# KiCad board Panel_R0.5.1_300x300_2layer_step1.kicad_pcb
title: microRusEfi; date: 2020-05-01; rev: R0.5.1
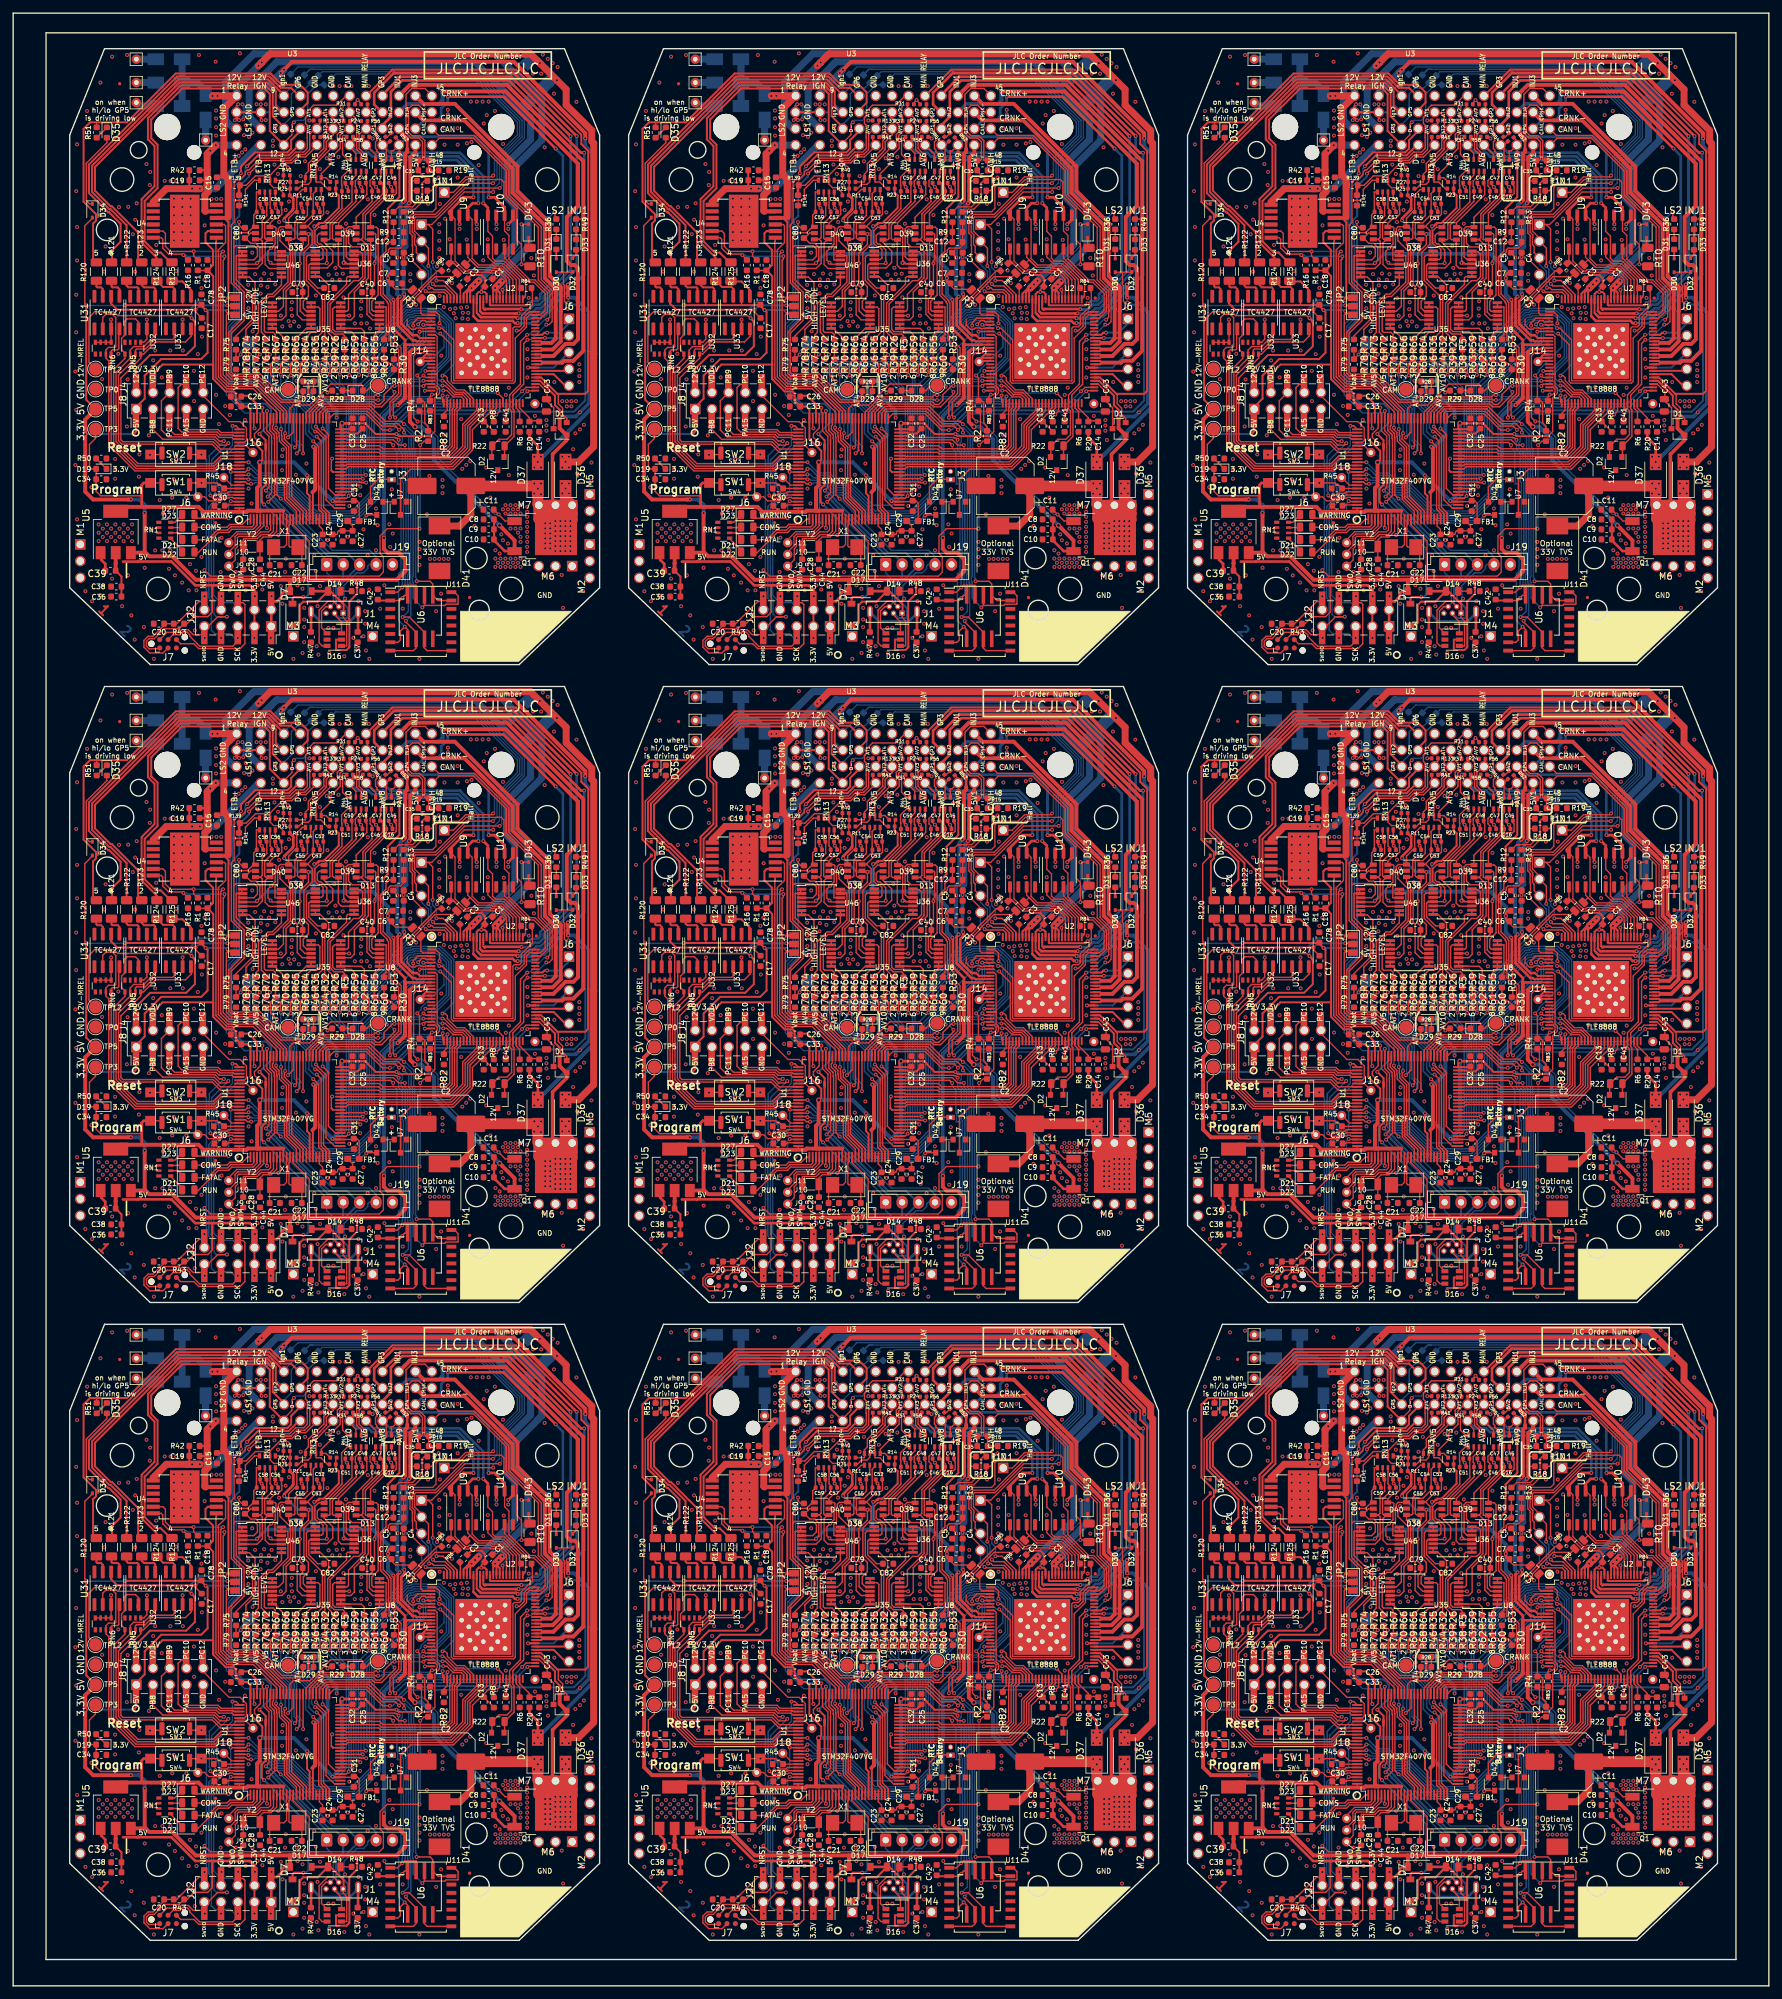
[diagram p0: board, top side]
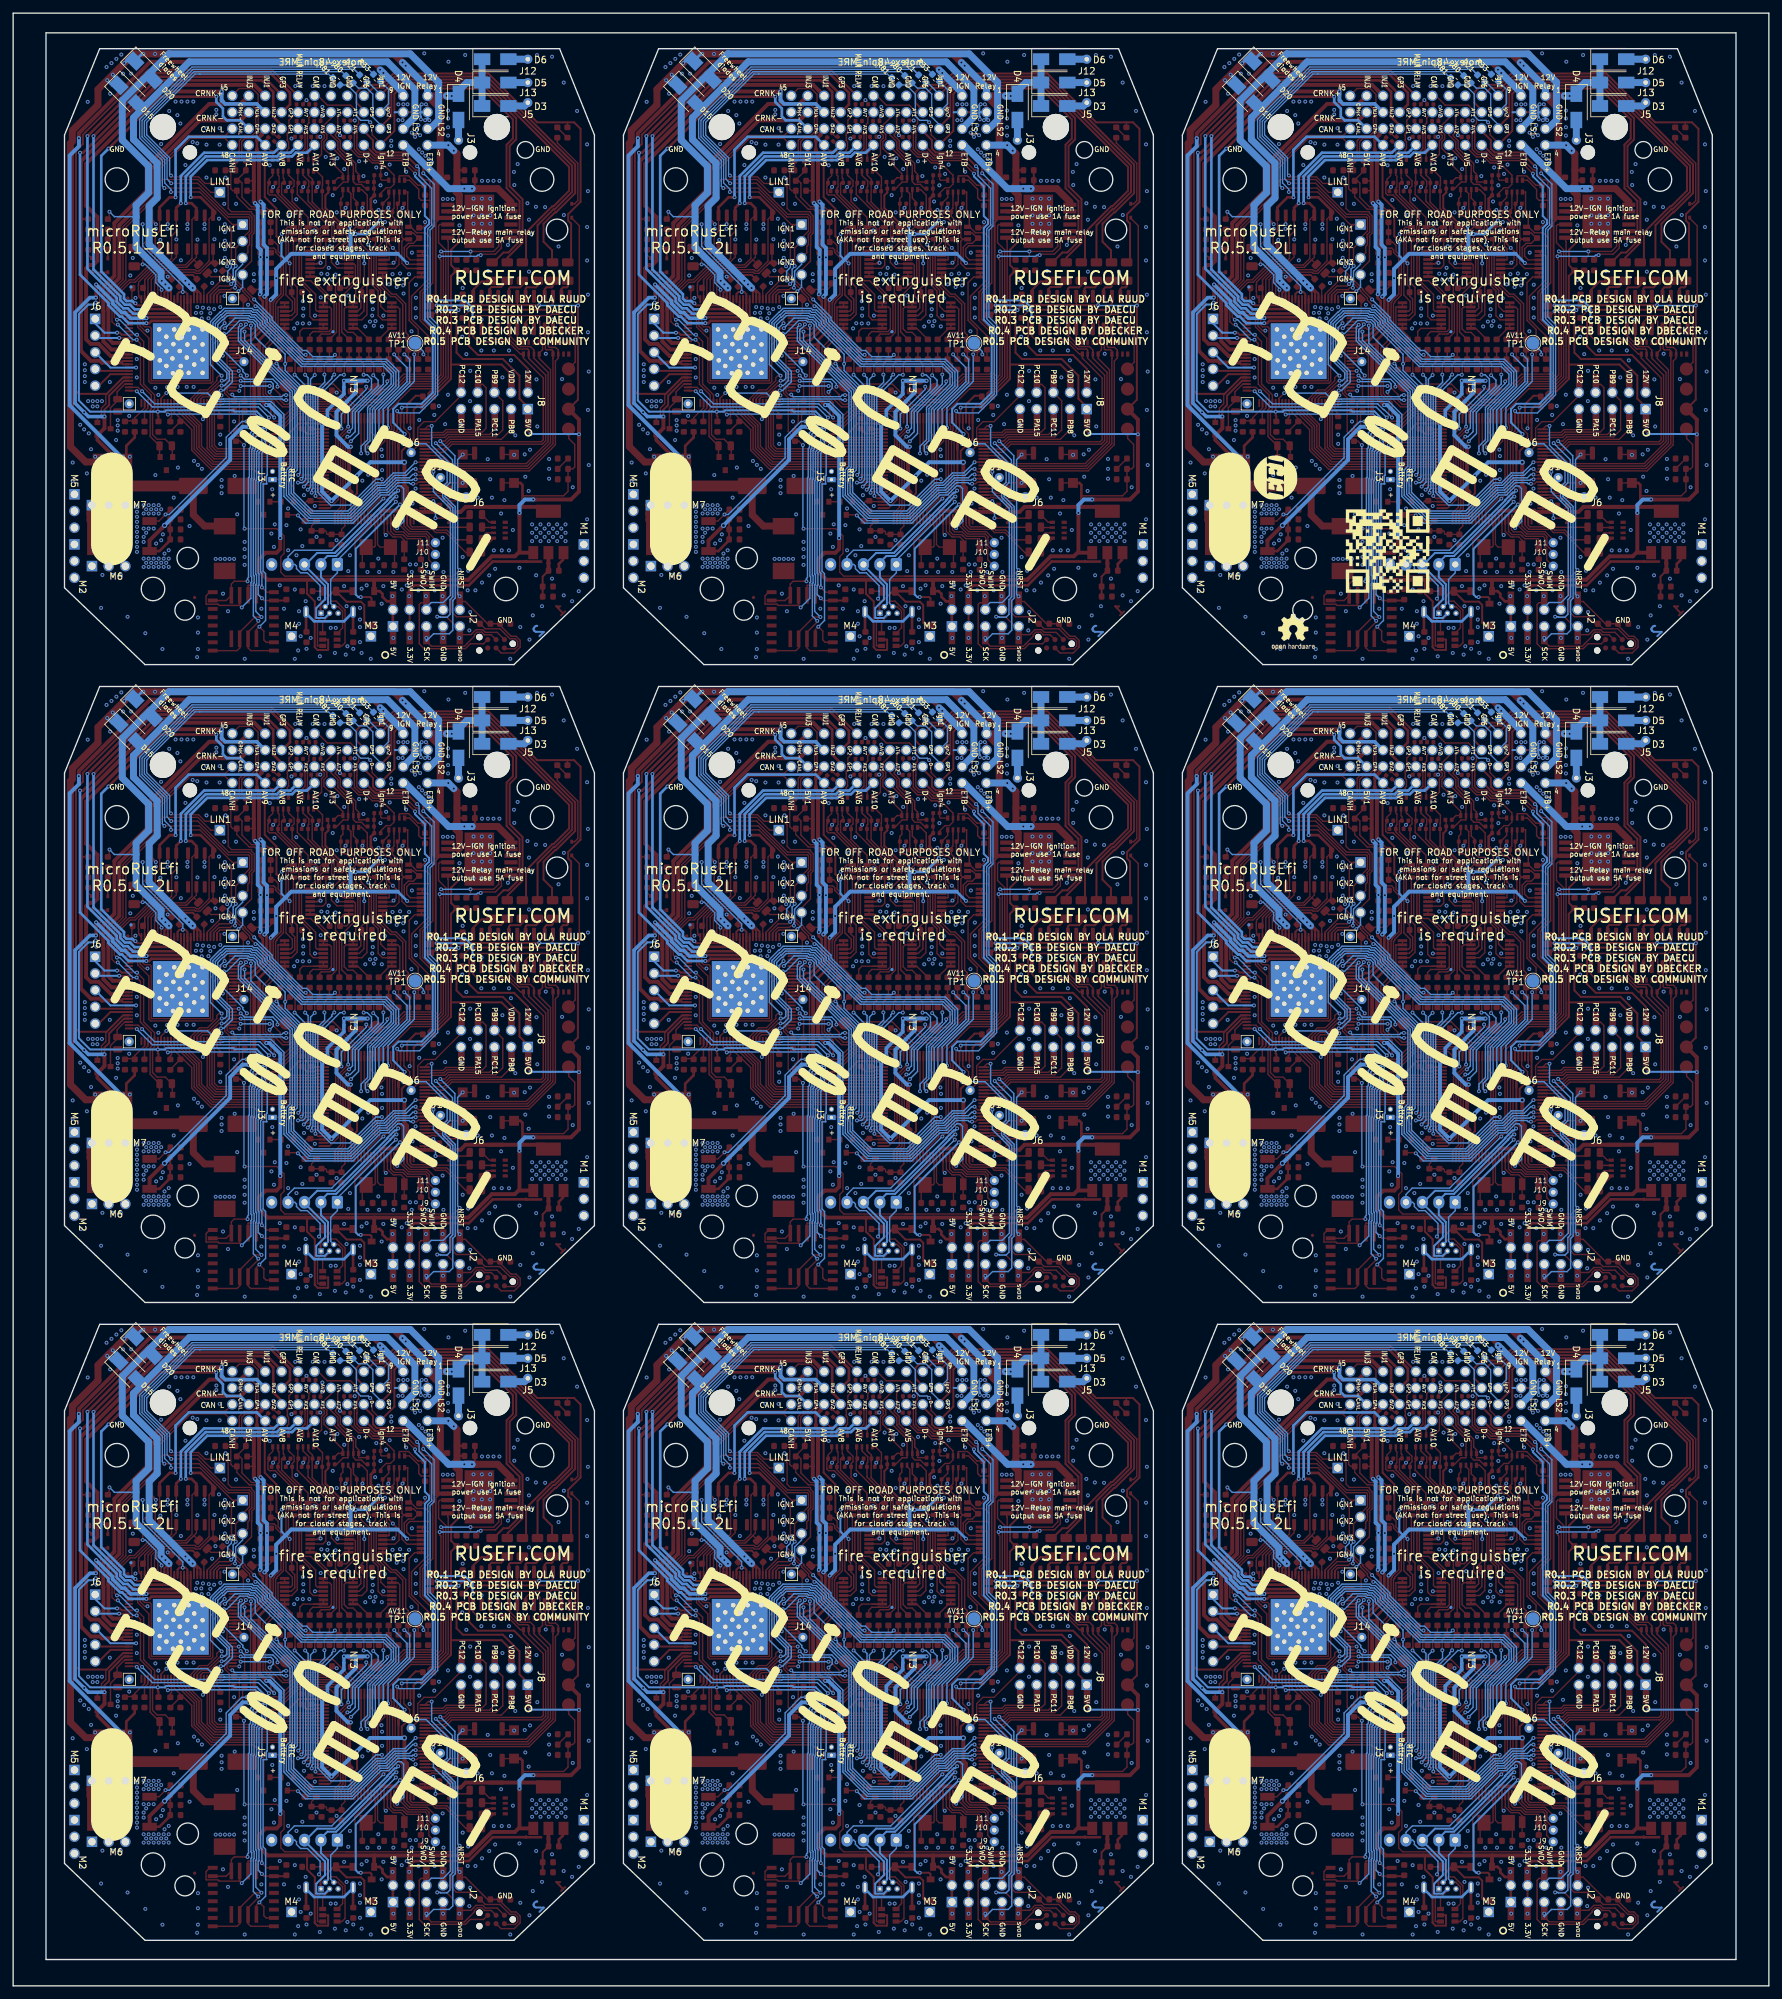
[diagram p1: board, bottom side, seen from below]

Outline 267 x 300 mm; copper layers: Top, Bottom. Coordinates in mm from the lower left corner of the outline.
Outline path: circle c14.29,267.04 r1.64 ; circle c14.29,170.04 r1.64 ; circle c14.29,73.04 r1.64 ; circle c16.56,274.7 r1.79 ; circle c16.56,177.7 r1.79 ; circle c16.56,80.7 r1.79 ; circle c19.09,279.2 r1.27 ; circle c19.09,182.2 r1.27 ; circle c19.09,85.2 r1.27 ; circle c22.06,212.43 r1.79 ; circle c22.06,115.43 r1.79 ; circle c22.06,18.43 r1.79 ; circle c70.45,217.13 r1.64 ; circle c70.45,120.13 r1.64 ; circle c70.45,23.13 r1.64 ; circle c70.88,209.2 r1.52 ; circle c70.88,112.2 r1.52 ; circle c70.88,15.2 r1.52 ; circle c75.73,212.43 r1.79 ; circle c75.73,115.43 r1.79 ; circle c75.73,18.43 r1.79 ; circle c81.23,274.7 r1.79 ; circle c81.23,177.7 r1.79 ; circle c81.23,80.7 r1.79 ; circle c99.29,267.04 r1.64 ; circle c99.29,170.04 r1.64 ; circle c99.29,73.04 r1.64 ; circle c101.56,274.7 r1.79 ; circle c101.56,177.7 r1.79 ; circle c101.56,80.7 r1.79 ; circle c104.09,279.2 r1.27 ; circle c104.09,182.2 r1.27 ; circle c104.09,85.2 r1.27 ; circle c107.06,212.43 r1.79 ; circle c107.06,115.43 r1.79 ; circle c107.06,18.43 r1.79 ; circle c155.45,217.13 r1.64 ; circle c155.45,120.13 r1.64 ; circle c155.45,23.13 r1.64 ; circle c155.88,209.2 r1.52 ; circle c155.88,112.2 r1.52 ; circle c155.88,15.2 r1.52 ; circle c160.73,212.43 r1.79 ; circle c160.73,115.43 r1.79 ; circle c160.73,18.43 r1.79 ; circle c166.23,274.7 r1.79 ; circle c166.23,177.7 r1.79 ; circle c166.23,80.7 r1.79 ; circle c184.29,267.04 r1.64 ; circle c184.29,170.04 r1.64 ; circle c184.29,73.04 r1.64 ; circle c186.56,274.7 r1.79 ; circle c186.56,177.7 r1.79 ; circle c186.56,80.7 r1.79 ; circle c189.09,279.2 r1.27 ; circle c189.09,182.2 r1.27 ; circle c189.09,85.2 r1.27 ; circle c192.06,212.43 r1.79 ; circle c192.06,115.43 r1.79 ; circle c192.06,18.43 r1.79 ; circle c240.45,217.13 r1.64 ; circle c240.45,120.13 r1.64 ; circle c240.45,23.13 r1.64 ; circle c240.88,209.2 r1.52 ; circle c240.88,112.2 r1.52 ; circle c240.88,15.2 r1.52 ; circle c245.73,212.43 r1.79 ; circle c245.73,115.43 r1.79 ; circle c245.73,18.43 r1.79 ; circle c251.23,274.7 r1.79 ; circle c251.23,177.7 r1.79 ; circle c251.23,80.7 r1.79 ; 0,300 0,0 267,0 267,300 0,300 ; 5,297 262,297 262,4 5,4 5,297 ; 8.6,281.46 8.6,212.62 20.84,200.93 76.95,200.93 89.19,212.62 89.19,281.46 83.84,294.6 13.9,294.6 8.6,281.46 ; 8.6,184.46 8.6,115.62 20.84,103.93 76.95,103.93 89.19,115.62 89.19,184.46 83.84,197.6 13.9,197.6 8.6,184.46 ; 8.6,87.46 8.6,18.62 20.84,6.93 76.95,6.93 89.19,18.62 89.19,87.46 83.84,100.6 13.9,100.6 8.6,87.46 ; 93.6,281.46 93.6,212.62 105.84,200.93 161.95,200.93 174.19,212.62 174.19,281.46 168.84,294.6 98.9,294.6 93.6,281.46 ; 93.6,184.46 93.6,115.62 105.84,103.93 161.95,103.93 174.19,115.62 174.19,184.46 168.84,197.6 98.9,197.6 93.6,184.46 ; 93.6,87.46 93.6,18.62 105.84,6.93 161.95,6.93 174.19,18.62 174.19,87.46 168.84,100.6 98.9,100.6 93.6,87.46 ; 178.6,281.46 178.6,212.62 190.84,200.93 246.95,200.93 259.19,212.62 259.19,281.46 253.84,294.6 183.9,294.6 178.6,281.46 ; 178.6,184.46 178.6,115.62 190.84,103.93 246.95,103.93 259.19,115.62 259.19,184.46 253.84,197.6 183.9,197.6 178.6,184.46 ; 178.6,87.46 178.6,18.62 190.84,6.93 246.95,6.93 259.19,18.62 259.19,87.46 253.84,100.6 183.9,100.6 178.6,87.46

## Placement (name value [footprint] x y rotation side)
C1  100nF  [C_0603_1608Metric]  72.3 259 45 top
C1#2  100nF  [C_0603_1608Metric]  157.3 259 45 top
C1#3  100nF  [C_0603_1608Metric]  242.3 259 45 top
C1#4  100nF  [C_0603_1608Metric]  157.3 162 45 top
C1#5  100nF  [C_0603_1608Metric]  242.3 162 45 top
C1#6  100nF  [C_0603_1608Metric]  72.3 162 45 top
C1#7  100nF  [C_0603_1608Metric]  242.3 65 45 top
C1#8  100nF  [C_0603_1608Metric]  157.3 65 45 top
C1#9  100nF  [C_0603_1608Metric]  72.3 65 45 top
C2  100UF 50V  [CP_Elec_8x10.5]  65.9 228.1 180 top
C2#2  100UF 50V  [CP_Elec_8x10.5]  150.9 228.1 180 top
C2#3  100UF 50V  [CP_Elec_8x10.5]  235.9 228.1 180 top
C2#4  100UF 50V  [CP_Elec_8x10.5]  150.9 131.1 180 top
C2#5  100UF 50V  [CP_Elec_8x10.5]  235.9 131.1 180 top
C2#6  100UF 50V  [CP_Elec_8x10.5]  65.9 131.1 180 top
C2#7  100UF 50V  [CP_Elec_8x10.5]  235.9 34.1 180 top
C2#8  100UF 50V  [CP_Elec_8x10.5]  150.9 34.1 180 top
C2#9  100UF 50V  [CP_Elec_8x10.5]  65.9 34.1 180 top
C3  4.7nF  [C_0603_1608Metric]  153.5 259 225 top
C3#2  4.7nF  [C_0603_1608Metric]  238.5 259 225 top
C3#3  4.7nF  [C_0603_1608Metric]  153.5 162 225 top
C3#4  4.7nF  [C_0603_1608Metric]  238.5 162 225 top
C3#5  4.7nF  [C_0603_1608Metric]  68.5 162 225 top
C3#6  4.7nF  [C_0603_1608Metric]  238.5 65 225 top
C3#7  4.7nF  [C_0603_1608Metric]  153.5 65 225 top
C3#8  4.7nF  [C_0603_1608Metric]  68.5 65 225 top
C3#9  4.7nF  [C_0603_1608Metric]  68.5 259 225 top
C4  470nF  [C_0603_1608Metric]  59.4 262.79 270 top
C4#2  470nF  [C_0603_1608Metric]  144.4 262.79 270 top
C4#3  470nF  [C_0603_1608Metric]  229.4 262.79 270 top
C4#4  470nF  [C_0603_1608Metric]  144.4 165.79 270 top
C4#5  470nF  [C_0603_1608Metric]  229.4 165.79 270 top
C4#6  470nF  [C_0603_1608Metric]  59.4 165.79 270 top
C4#7  470nF  [C_0603_1608Metric]  229.4 68.79 270 top
C4#8  470nF  [C_0603_1608Metric]  144.4 68.79 270 top
C4#9  470nF  [C_0603_1608Metric]  59.4 68.79 270 top
C5  470nF  [C_0603_1608Metric]  57.8 262.79 270 top
C5#2  470nF  [C_0603_1608Metric]  142.8 262.79 270 top
C5#3  470nF  [C_0603_1608Metric]  227.8 262.79 270 top
C5#4  470nF  [C_0603_1608Metric]  142.8 165.79 270 top
C5#5  470nF  [C_0603_1608Metric]  227.8 165.79 270 top
C5#6  470nF  [C_0603_1608Metric]  57.8 165.79 270 top
C5#7  470nF  [C_0603_1608Metric]  227.8 68.79 270 top
C5#8  470nF  [C_0603_1608Metric]  142.8 68.79 270 top
C5#9  470nF  [C_0603_1608Metric]  57.8 68.79 270 top
C6  100nF  [C_0603_1608Metric]  58.36 258.9 0 top
C6#2  100nF  [C_0603_1608Metric]  143.36 258.9 0 top
C6#3  100nF  [C_0603_1608Metric]  228.36 258.9 0 top
C6#4  100nF  [C_0603_1608Metric]  143.36 161.9 0 top
C6#5  100nF  [C_0603_1608Metric]  228.36 161.9 0 top
C6#6  100nF  [C_0603_1608Metric]  58.36 161.9 0 top
C6#7  100nF  [C_0603_1608Metric]  228.36 64.9 0 top
C6#8  100nF  [C_0603_1608Metric]  58.36 64.9 0 top
C6#9  100nF  [C_0603_1608Metric]  143.36 64.9 0 top
C7  10uF  [C_0603_1608Metric]  58.51 260.5 0 top
C7#2  10uF  [C_0603_1608Metric]  143.51 260.5 0 top
C7#3  10uF  [C_0603_1608Metric]  228.51 260.5 0 top
C7#4  10uF  [C_0603_1608Metric]  143.51 163.5 0 top
C7#5  10uF  [C_0603_1608Metric]  228.51 163.5 0 top
C7#6  10uF  [C_0603_1608Metric]  58.51 163.5 0 top
C7#7  10uF  [C_0603_1608Metric]  228.51 66.5 0 top
C7#8  10uF  [C_0603_1608Metric]  143.51 66.5 0 top
C7#9  10uF  [C_0603_1608Metric]  58.51 66.5 0 top
C8  10uF  [C_0603_1608Metric]  72.33 223.02 180 top
C8#2  10uF  [C_0603_1608Metric]  157.33 223.02 180 top
C8#3  10uF  [C_0603_1608Metric]  242.33 223.02 180 top
C8#4  10uF  [C_0603_1608Metric]  157.33 126.02 180 top
C8#5  10uF  [C_0603_1608Metric]  242.33 126.02 180 top
C8#6  10uF  [C_0603_1608Metric]  72.33 126.02 180 top
C8#7  10uF  [C_0603_1608Metric]  242.33 29.02 180 top
C8#8  10uF  [C_0603_1608Metric]  157.33 29.02 180 top
C8#9  10uF  [C_0603_1608Metric]  72.33 29.02 180 top
C9  10uF  [C_0603_1608Metric]  72.33 221.49 180 top
C9#2  10uF  [C_0603_1608Metric]  157.33 221.49 180 top
C9#3  10uF  [C_0603_1608Metric]  242.33 221.49 180 top
C9#4  10uF  [C_0603_1608Metric]  157.33 124.49 180 top
C9#5  10uF  [C_0603_1608Metric]  242.33 124.49 180 top
C9#6  10uF  [C_0603_1608Metric]  72.33 124.49 180 top
C9#7  10uF  [C_0603_1608Metric]  242.33 27.49 180 top
C9#8  10uF  [C_0603_1608Metric]  157.33 27.49 180 top
C9#9  10uF  [C_0603_1608Metric]  72.33 27.49 180 top
C10  100nF  [C_0603_1608Metric]  72.33 219.97 180 top
C10#2  100nF  [C_0603_1608Metric]  157.33 219.97 180 top
C10#3  100nF  [C_0603_1608Metric]  242.33 219.97 180 top
C10#4  100nF  [C_0603_1608Metric]  157.33 122.97 180 top
C10#5  100nF  [C_0603_1608Metric]  242.33 122.97 180 top
C10#6  100nF  [C_0603_1608Metric]  72.33 122.97 180 top
C10#7  100nF  [C_0603_1608Metric]  242.33 25.97 180 top
C10#8  100nF  [C_0603_1608Metric]  157.33 25.97 180 top
C10#9  100nF  [C_0603_1608Metric]  72.33 25.97 180 top
C11  4.7nF  [C_0603_1608Metric]  72.3 224.5 180 top
C11#2  4.7nF  [C_0603_1608Metric]  157.3 224.5 180 top
C11#3  4.7nF  [C_0603_1608Metric]  242.3 224.5 180 top
C11#4  4.7nF  [C_0603_1608Metric]  157.3 127.5 180 top
C11#5  4.7nF  [C_0603_1608Metric]  242.3 127.5 180 top
C11#6  4.7nF  [C_0603_1608Metric]  72.3 127.5 180 top
C11#7  4.7nF  [C_0603_1608Metric]  242.3 30.5 180 top
C11#8  4.7nF  [C_0603_1608Metric]  157.3 30.5 180 top
C11#9  4.7nF  [C_0603_1608Metric]  72.3 30.5 180 top
C12  1nF  [C_0603_1608Metric]  58.61 265.2 0 top
C12#2  1nF  [C_0603_1608Metric]  143.61 265.2 0 top
C12#3  1nF  [C_0603_1608Metric]  228.61 265.2 0 top
C12#4  1nF  [C_0603_1608Metric]  143.61 168.2 0 top
C12#5  1nF  [C_0603_1608Metric]  228.61 168.2 0 top
C12#6  1nF  [C_0603_1608Metric]  58.61 168.2 0 top
C12#7  1nF  [C_0603_1608Metric]  228.61 71.2 0 top
C12#8  1nF  [C_0603_1608Metric]  58.61 71.2 0 top
C12#9  1nF  [C_0603_1608Metric]  143.61 71.2 0 top
C13  100nF  [C_0603_1608Metric]  71.57 237.12 270 top
C13#2  100nF  [C_0603_1608Metric]  156.57 237.12 270 top
C13#3  100nF  [C_0603_1608Metric]  241.57 237.12 270 top
C13#4  100nF  [C_0603_1608Metric]  156.57 140.12 270 top
C13#5  100nF  [C_0603_1608Metric]  241.57 140.12 270 top
C13#6  100nF  [C_0603_1608Metric]  71.57 140.12 270 top
C13#7  100nF  [C_0603_1608Metric]  241.57 43.12 270 top
C13#8  100nF  [C_0603_1608Metric]  156.57 43.12 270 top
C13#9  100nF  [C_0603_1608Metric]  71.57 43.12 270 top
C14  100nF  [C_0603_1608Metric]  80 237.12 270 top
C14#2  100nF  [C_0603_1608Metric]  165 237.12 270 top
C14#3  100nF  [C_0603_1608Metric]  250 237.12 270 top
C14#4  100nF  [C_0603_1608Metric]  165 140.12 270 top
C14#5  100nF  [C_0603_1608Metric]  250 140.12 270 top
C14#6  100nF  [C_0603_1608Metric]  80 140.12 270 top
C14#7  100nF  [C_0603_1608Metric]  250 43.12 270 top
C14#8  100nF  [C_0603_1608Metric]  165 43.12 270 top
C14#9  100nF  [C_0603_1608Metric]  80 43.12 270 top
C15  100nF  [C_0603_1608Metric]  31 274.25 270 top
C15#2  100nF  [C_0603_1608Metric]  116 274.25 270 top
C15#3  100nF  [C_0603_1608Metric]  201 274.25 270 top
C15#4  100nF  [C_0603_1608Metric]  116 177.25 270 top
C15#5  100nF  [C_0603_1608Metric]  201 177.25 270 top
C15#6  100nF  [C_0603_1608Metric]  31 177.25 270 top
C15#7  100nF  [C_0603_1608Metric]  201 80.25 270 top
C15#8  100nF  [C_0603_1608Metric]  116 80.25 270 top
C15#9  100nF  [C_0603_1608Metric]  31 80.25 270 top
C16  100nF  [C_0402_1005Metric]  57.6 274.2 180 top
C16#2  100nF  [C_0402_1005Metric]  142.6 274.2 180 top
C16#3  100nF  [C_0402_1005Metric]  227.6 274.2 180 top
C16#4  100nF  [C_0402_1005Metric]  57.6 177.2 180 top
C16#5  100nF  [C_0402_1005Metric]  227.6 177.2 180 top
C16#6  100nF  [C_0402_1005Metric]  142.6 177.2 180 top
C16#7  100nF  [C_0402_1005Metric]  227.6 80.2 180 top
C16#8  100nF  [C_0402_1005Metric]  57.6 80.2 180 top
C16#9  100nF  [C_0402_1005Metric]  142.6 80.2 180 top
C17  100nF  [C_0603_1608Metric]  28.67 252.87 270 top
C17#2  100nF  [C_0603_1608Metric]  113.67 252.87 270 top
C17#3  100nF  [C_0603_1608Metric]  198.67 252.87 270 top
C17#4  100nF  [C_0603_1608Metric]  113.67 155.87 270 top
C17#5  100nF  [C_0603_1608Metric]  198.67 155.87 270 top
C17#6  100nF  [C_0603_1608Metric]  28.67 155.87 270 top
C17#7  100nF  [C_0603_1608Metric]  198.67 58.87 270 top
C17#8  100nF  [C_0603_1608Metric]  113.67 58.87 270 top
C17#9  100nF  [C_0603_1608Metric]  28.67 58.87 270 top
C18  100nF  [C_0603_1608Metric]  29.55 261.68 90 top
C18#2  100nF  [C_0603_1608Metric]  114.55 261.68 90 top
C18#3  100nF  [C_0603_1608Metric]  199.55 261.68 90 top
C18#4  100nF  [C_0603_1608Metric]  114.55 164.68 90 top
C18#5  100nF  [C_0603_1608Metric]  199.55 164.68 90 top
C18#6  100nF  [C_0603_1608Metric]  29.55 164.68 90 top
C18#7  100nF  [C_0603_1608Metric]  199.55 67.68 90 top
C18#8  100nF  [C_0603_1608Metric]  114.55 67.68 90 top
C18#9  100nF  [C_0603_1608Metric]  29.55 67.68 90 top
C19  10nF  [C_0603_1608Metric]  27.57 274.58 0 top
C19#2  10nF  [C_0603_1608Metric]  112.57 274.58 0 top
C19#3  10nF  [C_0603_1608Metric]  197.57 274.58 0 top
C19#4  10nF  [C_0603_1608Metric]  112.57 177.58 0 top
C19#5  10nF  [C_0603_1608Metric]  197.57 177.58 0 top
C19#6  10nF  [C_0603_1608Metric]  27.57 177.58 0 top
C19#7  10nF  [C_0603_1608Metric]  197.57 80.58 0 top
C19#8  10nF  [C_0603_1608Metric]  112.57 80.58 0 top
C19#9  10nF  [C_0603_1608Metric]  27.57 80.58 0 top
C20  10nF  [C_0603_1608Metric]  22.16 207.14 0 top
C20#2  10nF  [C_0603_1608Metric]  107.16 207.14 0 top
C20#3  10nF  [C_0603_1608Metric]  192.16 207.14 0 top
C20#4  10nF  [C_0603_1608Metric]  107.16 110.15 0 top
C20#5  10nF  [C_0603_1608Metric]  192.16 110.15 0 top
C20#6  10nF  [C_0603_1608Metric]  22.16 110.15 0 top
C20#7  10nF  [C_0603_1608Metric]  192.16 13.14 0 top
C20#8  10nF  [C_0603_1608Metric]  107.16 13.14 0 top
C20#9  10nF  [C_0603_1608Metric]  22.16 13.14 0 top
C21  18pF  [C_0603_1608Metric]  39.79 216.05 0 top
C21#2  18pF  [C_0603_1608Metric]  124.79 216.05 0 top
C21#3  18pF  [C_0603_1608Metric]  209.79 216.05 0 top
C21#4  18pF  [C_0603_1608Metric]  39.79 119.05 0 top
C21#5  18pF  [C_0603_1608Metric]  209.79 119.05 0 top
C21#6  18pF  [C_0603_1608Metric]  124.79 119.05 0 top
C21#7  18pF  [C_0603_1608Metric]  39.79 22.05 0 top
C21#8  18pF  [C_0603_1608Metric]  209.79 22.05 0 top
C21#9  18pF  [C_0603_1608Metric]  124.79 22.05 0 top
C22  18pF  [C_0603_1608Metric]  43.12 216.05 180 top
C22#2  18pF  [C_0603_1608Metric]  128.12 216.05 180 top
C22#3  18pF  [C_0603_1608Metric]  213.12 216.05 180 top
C22#4  18pF  [C_0603_1608Metric]  128.12 119.05 180 top
C22#5  18pF  [C_0603_1608Metric]  213.12 119.05 180 top
C22#6  18pF  [C_0603_1608Metric]  43.12 119.05 180 top
C22#7  18pF  [C_0603_1608Metric]  213.12 22.05 180 top
C22#8  18pF  [C_0603_1608Metric]  43.12 22.05 180 top
C22#9  18pF  [C_0603_1608Metric]  128.12 22.05 180 top
C23  1uF  [C_0603_1608Metric]  47.06 219.95 90 top
C23#2  1uF  [C_0603_1608Metric]  132.06 219.95 90 top
C23#3  1uF  [C_0603_1608Metric]  217.06 219.95 90 top
C23#4  1uF  [C_0603_1608Metric]  132.06 122.95 90 top
C23#5  1uF  [C_0603_1608Metric]  217.06 122.95 90 top
C23#6  1uF  [C_0603_1608Metric]  47.06 122.95 90 top
C23#7  1uF  [C_0603_1608Metric]  217.06 25.95 90 top
C23#8  1uF  [C_0603_1608Metric]  132.06 25.95 90 top
C23#9  1uF  [C_0603_1608Metric]  47.06 25.95 90 top
C24  100nF  [C_0603_1608Metric]  48.58 219.95 90 top
C24#2  100nF  [C_0603_1608Metric]  133.58 219.95 90 top
C24#3  100nF  [C_0603_1608Metric]  218.58 219.95 90 top
C24#4  100nF  [C_0603_1608Metric]  133.58 122.95 90 top
C24#5  100nF  [C_0603_1608Metric]  218.58 122.95 90 top
C24#6  100nF  [C_0603_1608Metric]  48.58 122.95 90 top
C24#7  100nF  [C_0603_1608Metric]  218.58 25.95 90 top
C24#8  100nF  [C_0603_1608Metric]  133.58 25.95 90 top
C24#9  100nF  [C_0603_1608Metric]  48.58 25.95 90 top
C25  2.2uF  [C_0603_1608Metric]  53.13 237.6 90 top
C25#2  2.2uF  [C_0603_1608Metric]  138.13 237.6 90 top
C25#3  2.2uF  [C_0603_1608Metric]  223.13 237.6 90 top
C25#4  2.2uF  [C_0603_1608Metric]  138.13 140.6 90 top
C25#5  2.2uF  [C_0603_1608Metric]  223.13 140.6 90 top
C25#6  2.2uF  [C_0603_1608Metric]  53.13 140.6 90 top
C25#7  2.2uF  [C_0603_1608Metric]  223.13 43.6 90 top
C25#8  2.2uF  [C_0603_1608Metric]  138.13 43.6 90 top
C25#9  2.2uF  [C_0603_1608Metric]  53.13 43.6 90 top
C26  2.2uF  [C_0603_1608Metric]  33.9 241.69 180 top
C26#2  2.2uF  [C_0603_1608Metric]  118.9 241.69 180 top
C26#3  2.2uF  [C_0603_1608Metric]  203.9 241.69 180 top
C26#4  2.2uF  [C_0603_1608Metric]  118.9 144.69 180 top
C26#5  2.2uF  [C_0603_1608Metric]  203.9 144.69 180 top
C26#6  2.2uF  [C_0603_1608Metric]  33.9 144.69 180 top
C26#7  2.2uF  [C_0603_1608Metric]  203.9 47.69 180 top
C26#8  2.2uF  [C_0603_1608Metric]  33.9 47.69 180 top
C26#9  2.2uF  [C_0603_1608Metric]  118.9 47.69 180 top
C27  1uF  [C_0603_1608Metric]  51.63 220.48 90 top
C27#2  1uF  [C_0603_1608Metric]  136.63 220.48 90 top
C27#3  1uF  [C_0603_1608Metric]  221.63 220.48 90 top
C27#4  1uF  [C_0603_1608Metric]  136.63 123.48 90 top
C27#5  1uF  [C_0603_1608Metric]  221.63 123.48 90 top
C27#6  1uF  [C_0603_1608Metric]  51.63 123.48 90 top
C27#7  1uF  [C_0603_1608Metric]  221.63 26.48 90 top
C27#8  1uF  [C_0603_1608Metric]  51.63 26.48 90 top
C27#9  1uF  [C_0603_1608Metric]  136.63 26.48 90 top
C28  6.8pF  [C_0603_1608Metric]  34.99 216.16 270 top
C28#2  6.8pF  [C_0603_1608Metric]  119.99 216.16 270 top
C28#3  6.8pF  [C_0603_1608Metric]  204.99 216.16 270 top
C28#4  6.8pF  [C_0603_1608Metric]  204.99 119.16 270 top
C28#5  6.8pF  [C_0603_1608Metric]  119.99 119.16 270 top
C28#6  6.8pF  [C_0603_1608Metric]  34.99 119.16 270 top
C28#7  6.8pF  [C_0603_1608Metric]  204.99 22.16 270 top
C28#8  6.8pF  [C_0603_1608Metric]  119.99 22.16 270 top
C28#9  6.8pF  [C_0603_1608Metric]  34.99 22.16 270 top
C29  10nF  [C_0603_1608Metric]  50.1 220.48 90 top
C29#2  10nF  [C_0603_1608Metric]  135.1 220.48 90 top
C29#3  10nF  [C_0603_1608Metric]  220.1 220.48 90 top
C29#4  10nF  [C_0603_1608Metric]  135.1 123.48 90 top
C29#5  10nF  [C_0603_1608Metric]  220.1 123.48 90 top
C29#6  10nF  [C_0603_1608Metric]  50.1 123.48 90 top
C29#7  10nF  [C_0603_1608Metric]  220.1 26.48 90 top
C29#8  10nF  [C_0603_1608Metric]  50.1 26.48 90 top
C29#9  10nF  [C_0603_1608Metric]  135.1 26.48 90 top
C30  100nF  [C_0603_1608Metric]  31.38 225.1 180 top
C30#2  100nF  [C_0603_1608Metric]  116.38 225.1 180 top
C30#3  100nF  [C_0603_1608Metric]  201.38 225.1 180 top
C30#4  100nF  [C_0603_1608Metric]  116.38 128.1 180 top
C30#5  100nF  [C_0603_1608Metric]  201.38 128.1 180 top